# KiCad board CXD-ROUTER-v1.1.0.kicad_pcb (continued)
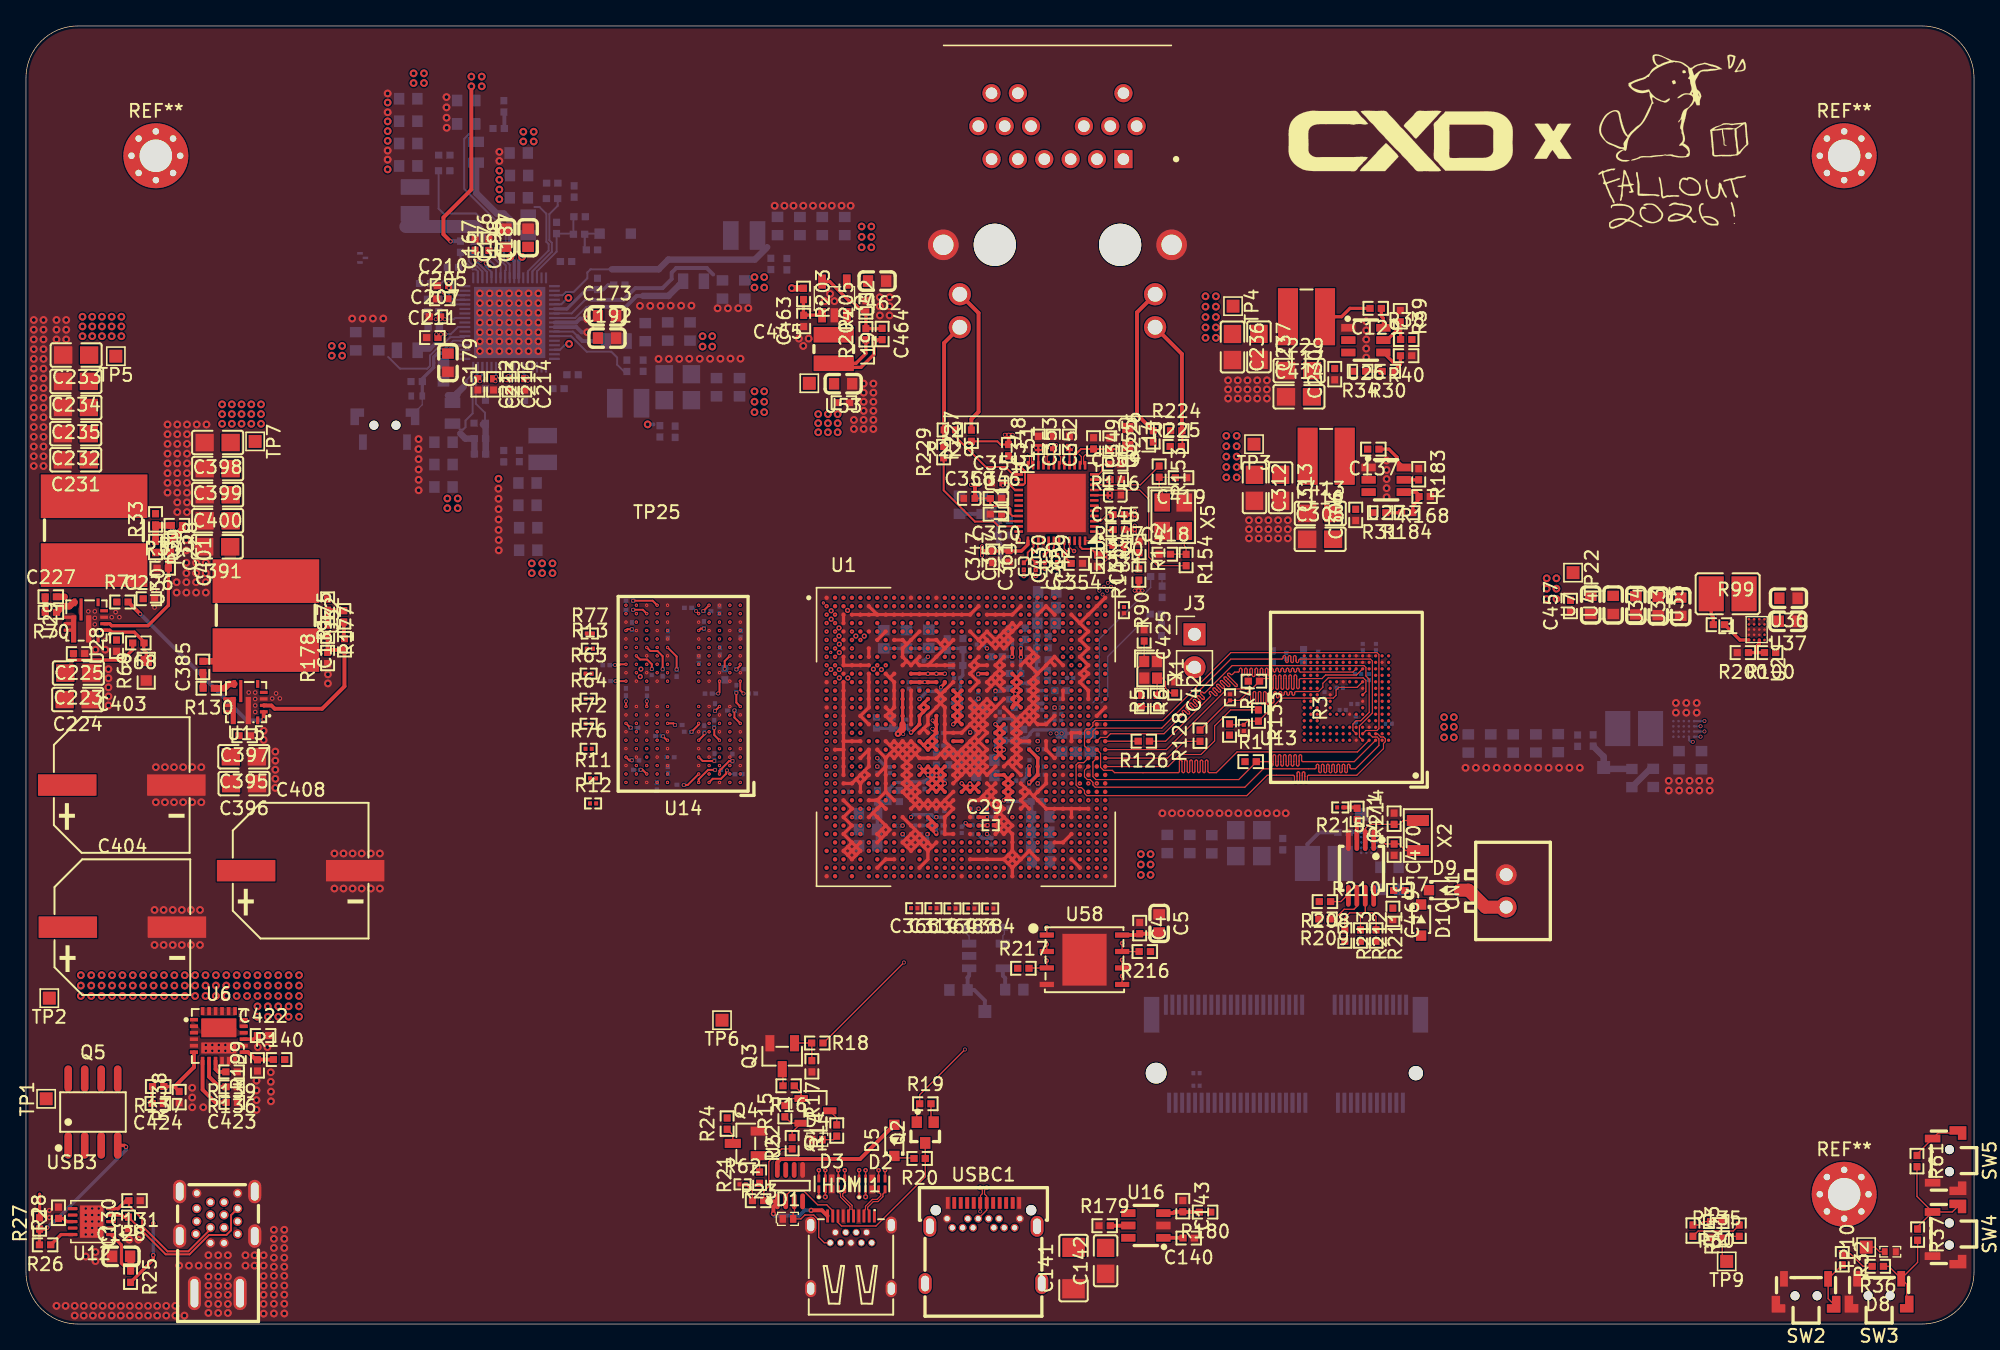
[diagram p0: board, top side]
## Routing (per net, layer and track width the routed paths; a pad name or vN(x,y) marks a point on that pad's centre or on a via; arc(x,y) is an arc through that point) (continued)
DDR_CH0_DQ10_A: length 29.2
  In1.Cu w0.09: v2(47,44.33) v7(46.72,44.04) ; v2(61.65,41.65) v8(61.25,41.65)
  In2.Cu w0.131: v8(61.25,41.65) 60.92,41.32 arc(60.89,41.24) 60.92,41.17 60.98,41.11 arc(61.01,41.03) 60.98,40.96 arc(60.91,40.93) 60.83,40.96 60.62,41.16 arc(60.55,41.19) 60.48,41.16 60.48,41.16 arc(60.45,41.09) 60.48,41.02 60.68,40.81 arc(60.71,40.73) 60.68,40.66 arc(60.61,40.63) 60.53,40.66 60.33,40.87 arc(60.26,40.9) 60.19,40.87 60.18,40.86 arc(60.15,40.79) 60.18,40.72 60.38,40.51 arc(60.42,40.44) 60.38,40.36 arc(60.31,40.33) 60.24,40.36 60.03,40.57 arc(59.96,40.6) 59.89,40.57 59.88,40.56 arc(59.85,40.49) 59.88,40.42 arc(59.91,40.35) 59.88,40.28 59.26,39.66 59.26,38.76 57.88,37.38 48.7,37.38 45.7,40.38 45.7,44.7 46.1,45.1 46.85,45.1 47.06,44.89 47.06,44.34 46.77,44.04 v7(46.72,44.04)
DDR_CH0_DQ10_B: length 34.9
  In1.Cu w0.09: v2(62.3,54.65) v4(62,54.95) ; v2(47,52.78) v7(46.7,53.08)
  In2.Cu w0.131: v7(46.7,53.08) 46.25,53.53 46.25,53.65 arc(46.28,53.72) 46.36,53.76 46.99,53.76 arc(47.07,53.79) 47.1,53.86 arc(47.07,53.94) 46.99,53.97 46.36,53.97 arc(46.28,54) 46.25,54.07 46.25,56.38 48.9,59.03 49.7,59.03 arc(49.77,59.06) 49.8,59.13 49.8,59.4 arc(49.83,59.47) 49.91,59.5 arc(49.98,59.47) 50.01,59.4 50.01,58.7 arc(50.04,58.63) 50.12,58.6 arc(50.19,58.63) 50.22,58.7 50.22,59.4 arc(50.25,59.47) 50.33,59.5 arc(50.4,59.47) 50.43,59.4 50.43,59.13 arc(50.46,59.06) 50.54,59.03 arc(50.61,59.06) 50.64,59.13 50.64,59.4 arc(50.67,59.47) 50.75,59.5 arc(50.82,59.47) 50.85,59.4 50.85,59.13 arc(50.88,59.06) 50.96,59.03 arc(51.03,59.06) 51.06,59.13 51.06,59.4 arc(51.1,59.47) 51.17,59.5 arc(51.24,59.47) 51.28,59.4 51.28,59.13 arc(51.31,59.06) 51.38,59.03 arc(51.45,59.06) 51.49,59.13 51.49,59.4 arc(51.52,59.47) 51.59,59.5 arc(51.67,59.47) 51.7,59.4 51.7,59.13 arc(51.73,59.06) 51.8,59.03 arc(51.88,59.06) 51.91,59.13 51.91,59.4 arc(51.94,59.47) 52.01,59.5 arc(52.09,59.47) 52.12,59.4 52.12,59.13 arc(52.15,59.06) 52.22,59.03 arc(52.3,59.06) 52.33,59.13 52.33,59.4 arc(52.36,59.47) 52.43,59.5 arc(52.51,59.47) 52.54,59.4 52.54,59.13 arc(52.57,59.06) 52.64,59.03 arc(52.72,59.06) 52.75,59.13 52.75,59.4 arc(52.78,59.47) 52.85,59.5 arc(52.93,59.47) 52.96,59.4 52.96,59.13 arc(52.99,59.06) 53.07,59.03 arc(53.14,59.06) 53.17,59.13 53.17,59.4 arc(53.2,59.47) 53.28,59.5 arc(53.35,59.47) 53.38,59.4 53.38,59.13 arc(53.41,59.06) 53.49,59.03 arc(53.56,59.06) 53.59,59.13 53.59,59.4 arc(53.62,59.47) 53.7,59.5 arc(53.77,59.47) 53.8,59.4 53.8,59.13 arc(53.83,59.06) 53.91,59.03 arc(53.98,59.06) 54.01,59.13 54.01,59.4 arc(54.04,59.47) 54.12,59.5 arc(54.19,59.47) 54.22,59.4 54.22,59.13 arc(54.25,59.06) 54.33,59.03 arc(54.4,59.06) 54.43,59.13 54.43,59.35 arc(54.46,59.42) 54.54,59.45 arc(54.61,59.42) 54.64,59.35 54.64,59.13 arc(54.68,59.06) 54.75,59.03 57.35,59.03 58.65,57.73 59.55,57.73 60.84,56.44 60.84,55.73 61.29,55.28 61.3,55.28 61.62,54.95 v4(62,54.95)
DDR_CH0_DQ11_A: length 29.2
  In1.Cu w0.09: v2(47,44.98) v7(46.72,44.69) ; v2(62.3,41.65) v7(62.02,41.93)
  In2.Cu w0.09: v2(62.3,41.65) 62.29,41.65
  In2.Cu w0.131: v7(62.02,41.93) 61.98,41.97 60.97,41.97 58.36,39.36 arc(58.33,39.29) 58.36,39.22 58.74,38.84 arc(58.77,38.77) 58.74,38.69 arc(58.66,38.66) 58.59,38.69 58.22,39.07 arc(58.14,39.1) 58.07,39.07 arc(58.04,38.99) 58.07,38.92 58.44,38.54 arc(58.47,38.47) 58.44,38.4 arc(58.37,38.36) 58.29,38.4 57.92,38.77 arc(57.84,38.8) 57.77,38.77 arc(57.74,38.69) 57.77,38.62 58.14,38.25 arc(58.17,38.17) 58.14,38.1 arc(58.07,38.07) 57.99,38.1 57.62,38.47 arc(57.55,38.5) 57.47,38.47 arc(57.44,38.4) 57.47,38.32 57.84,37.95 arc(57.88,37.87) 57.84,37.8 arc(57.77,37.77) 57.7,37.8 57.32,38.17 arc(57.25,38.2) 57.17,38.17 56.81,37.81 48.8,37.81 46.08,40.53 46.08,44.05 46.35,44.32 46.35,44.33 v7(46.72,44.69)
DDR_CH0_DQ11_B: length 34.9
  In1.Cu w0.09: v7(46.6,52.52) 47,52.12 ; v2(61.65,55.3) v12(61.4,55.55)
  In1.Cu w0.103: 47,52.12 v2(47,52.12)
  In2.Cu w0.131: v12(61.4,55.55) 61.05,55.9 61.05,56.53 59.44,58.14 arc(59.36,58.17) 59.29,58.14 59.13,57.98 arc(59.05,57.95) 58.98,57.98 arc(58.95,58.05) 58.98,58.13 59.55,58.7 arc(59.58,58.78) 59.55,58.85 arc(59.48,58.88) 59.41,58.85 58.73,58.17 arc(58.65,58.14) 58.58,58.17 arc(58.55,58.24) 58.58,58.32 59.26,59 arc(59.29,59.07) 59.26,59.15 arc(59.18,59.18) 59.11,59.15 58.43,58.47 arc(58.35,58.44) 58.28,58.47 arc(58.25,58.54) 58.28,58.62 58.96,59.3 arc(58.99,59.37) 58.96,59.45 arc(58.88,59.48) 58.81,59.45 58.54,59.18 arc(58.47,59.15) 58.4,59.18 58.25,59.33 57.99,59.33 arc(57.91,59.29) 57.88,59.22 57.88,59.09 arc(57.85,59.02) 57.78,58.99 arc(57.7,59.02) 57.67,59.09 57.67,59.66 arc(57.64,59.73) 57.57,59.76 arc(57.49,59.73) 57.46,59.66 57.46,59.43 arc(57.43,59.36) 57.36,59.33 arc(57.28,59.36) 57.25,59.43 57.25,59.66 arc(57.22,59.73) 57.15,59.76 arc(57.07,59.73) 57.04,59.66 57.04,59.43 arc(57.01,59.36) 56.94,59.33 arc(56.86,59.36) 56.83,59.43 56.83,59.66 arc(56.8,59.73) 56.73,59.76 arc(56.65,59.73) 56.62,59.66 56.62,59.43 arc(56.59,59.36) 56.52,59.33 arc(56.44,59.36) 56.41,59.43 56.41,59.66 arc(56.38,59.73) 56.3,59.76 arc(56.23,59.73) 56.2,59.66 56.2,59.43 arc(56.17,59.36) 56.09,59.33 arc(56.02,59.36) 55.99,59.43 55.99,59.66 arc(55.96,59.73) 55.88,59.76 arc(55.81,59.73) 55.78,59.66 55.78,59.43 arc(55.75,59.36) 55.67,59.33 arc(55.6,59.36) 55.57,59.43 55.57,59.66 arc(55.54,59.73) 55.46,59.76 arc(55.39,59.73) 55.36,59.66 55.36,59.43 arc(55.33,59.36) 55.25,59.33 55.15,59.33 54.7,59.78 49.3,59.78 45.91,56.39 45.91,53.21 v7(46.6,52.52)
DDR_CH0_DQ12_A: length 29.2
  In1.Cu w0.09: v2(61.65,43.6) v8(61.25,43.6)
  In1.Cu w0.1: v2(48.6,44.98) v7(48.92,44.66)
  In2.Cu w0.131: v7(48.92,44.66) 48.57,44.31 48.57,43.64 48.76,43.45 48.95,43.45 arc(49.02,43.42) 49.05,43.34 49.05,43.14 arc(49.08,43.07) 49.16,43.04 arc(49.23,43.07) 49.26,43.14 49.26,43.7 arc(49.29,43.77) 49.37,43.8 arc(49.44,43.77) 49.47,43.7 49.47,41.99 arc(49.5,41.92) 49.58,41.89 arc(49.65,41.92) 49.68,41.99 49.68,43.7 arc(49.71,43.77) 49.79,43.8 arc(49.86,43.77) 49.89,43.7 49.89,41.99 arc(49.92,41.92) 50,41.89 arc(50.07,41.92) 50.1,41.99 50.1,43.7 arc(50.13,43.77) 50.21,43.8 arc(50.28,43.77) 50.31,43.7 50.31,43.55 arc(50.35,43.48) 50.42,43.45 50.58,43.45 50.97,43.05 arc(50.94,42.98) 50.86,42.95 50.62,42.95 arc(50.54,42.92) 50.51,42.84 arc(50.54,42.77) 50.62,42.74 50.86,42.74 arc(50.94,42.71) 50.97,42.63 arc(50.94,42.56) 50.86,42.53 50.62,42.53 arc(50.54,42.5) 50.51,42.42 arc(50.54,42.35) 50.62,42.32 50.86,42.32 arc(50.94,42.29) 50.97,42.21 arc(50.94,42.14) 50.86,42.11 50.62,42.11 arc(50.54,42.07) 50.51,42 arc(50.54,41.93) 50.62,41.89 50.86,41.89 arc(50.94,41.86) 50.97,41.79 50.97,41.63 52.54,40.07 56.41,40.07 59.95,43.6 v8(61.25,43.6)
DDR_CH0_DQ12_B: length 33.7
  In1.Cu w0.09: v2(48.6,52.12) v7(48.9,52.43) ; v2(62.3,52.7) v4(62.6,53)
  In2.Cu w0.131: v7(48.9,52.43) 48.45,52.43 48.17,52.15 48.25,52.08 49,52.08 49.1,51.98 49,51.88 47.95,51.88 47.85,51.78 47.85,51.73 47.93,51.64 50.51,51.64 50.64,51.78 50.64,51.96 50.6,52 49.43,52 49.35,52.08 49.35,52.17 49.34,52.18 49.34,52.46 50.05,53.18 50.05,54.12 50.6,54.68 50.6,55.12 52.83,57.35 56.72,57.35 61.08,53 62.08,53 62.35,53.28 62.75,53.28 63.05,53.58 63.45,53.58 63.5,53.62 63.5,54.73 63.61,54.83 63.61,54.98 63.65,55.03 63.7,55.03 63.83,54.89 63.83,54.66 63.75,54.58 63.75,54.48 63.83,54.39 63.83,54.26 63.75,54.18 63.75,54.08 63.83,53.99 63.83,53.91 63.7,53.78 63.7,53.68 63.8,53.58 63.8,53.48 63.79,53.48 63.59,53.28 63.15,53.28 63.1,53.23 63.1,53.12 63.15,53.08 63.45,53.08 63.48,53.04 63.48,52.91 63.45,52.88 62.72,52.88 v4(62.6,53)
DDR_CH0_DQ13_A: length 29.2
  In1.Cu w0.09: v2(62.3,43.6) v7(62.02,43.88)
  In1.Cu w0.1: v2(48.6,44.33) v7(48.92,44.01)
  In2.Cu w0.131: v7(62.02,43.88) 61.98,43.92 59.79,43.92 56.29,40.43 52.64,40.43 51.26,41.81 51.26,43.16 51.02,43.4 arc(50.99,43.47) 51.02,43.54 51.26,43.78 arc(51.3,43.86) 51.26,43.93 arc(51.19,43.96) 51.12,43.93 50.88,43.69 arc(50.8,43.66) 50.73,43.69 arc(50.7,43.77) 50.73,43.84 51.99,45.11 arc(52.02,45.18) 51.99,45.26 arc(51.92,45.29) 51.84,45.26 50.58,43.99 arc(50.5,43.96) 50.43,43.99 50.41,44.01 arc(50.34,44.04) 50.31,44.11 50.31,45.44 arc(50.28,45.51) 50.2,45.55 arc(50.13,45.51) 50.1,45.44 50.1,44.11 arc(50.07,44.04) 49.99,44.01 arc(49.92,44.04) 49.89,44.11 49.89,45.44 arc(49.86,45.51) 49.78,45.55 arc(49.71,45.51) 49.68,45.44 49.68,44.11 arc(49.65,44.04) 49.57,44.01 arc(49.5,44.04) 49.47,44.11 49.47,44.49 arc(49.43,44.56) 49.36,44.6 arc(49.29,44.56) 49.25,44.49 49.25,44.11 arc(49.22,44.04) 49.15,44.01 v7(48.92,44.01)
DDR_CH0_DQ13_B: length 30.9
  In1.Cu w0.09: v2(48.6,52.78) v7(48.9,53.08)
  In2.Cu w0.09: v2(61.65,53.35) v11(61.3,53.35)
  In2.Cu w0.131: v11(61.3,53.35) 61.13,53.35 56.92,57.56 52.73,57.56 52.47,57.31 arc(52.4,57.28) 52.32,57.31 52.26,57.37 arc(52.19,57.4) 52.11,57.37 arc(52.08,57.29) 52.11,57.22 52.17,57.16 arc(52.2,57.08) 52.17,57.01 arc(52.1,56.98) 52.03,57.01 51.96,57.07 arc(51.89,57.1) 51.81,57.07 arc(51.78,57) 51.81,56.92 51.88,56.86 arc(51.91,56.78) 51.88,56.71 arc(51.8,56.68) 51.73,56.71 51.66,56.77 arc(51.59,56.8) 51.52,56.77 arc(51.48,56.7) 51.52,56.62 51.58,56.56 arc(51.61,56.49) 51.58,56.41 arc(51.5,56.38) 51.43,56.41 51.37,56.48 arc(51.29,56.51) 51.22,56.48 arc(51.19,56.4) 51.22,56.33 51.28,56.26 arc(51.31,56.19) 51.28,56.11 arc(51.21,56.08) 51.13,56.11 51.07,56.18 arc(50.99,56.21) 50.92,56.18 arc(50.89,56.1) 50.92,56.03 50.98,55.97 arc(51.01,55.89) 50.98,55.82 arc(50.91,55.79) 50.83,55.82 50.59,56.06 arc(50.52,56.09) 50.44,56.06 arc(50.41,55.98) 50.44,55.91 50.68,55.67 arc(50.72,55.59) 50.68,55.52 arc(50.61,55.49) 50.54,55.52 50.15,55.9 arc(50.08,55.93) 50.01,55.9 arc(49.97,55.83) 50.01,55.75 50.39,55.37 arc(50.42,55.3) 50.39,55.22 arc(50.31,55.19) 50.24,55.22 49.86,55.6 arc(49.78,55.63) 49.71,55.6 arc(49.68,55.53) 49.71,55.45 50.3,54.86 arc(50.33,54.79) 50.3,54.71 arc(50.23,54.68) 50.15,54.71 49.7,55.16 arc(49.63,55.19) 49.55,55.16 arc(49.52,55.09) 49.55,55.01 50,54.56 arc(50.03,54.49) 50,54.41 arc(49.93,54.38) 49.85,54.41 49.58,54.69 arc(49.5,54.72) 49.43,54.69 arc(49.4,54.61) 49.43,54.54 49.78,54.19 arc(49.81,54.12) 49.78,54.05 arc(49.7,54.01) 49.63,54.05 49.49,54.18 arc(49.42,54.21) 49.34,54.18 arc(49.31,54.1) 49.34,54.03 49.8,53.58 arc(49.83,53.5) 49.8,53.43 arc(49.72,53.4) 49.65,53.43 49.2,53.88 arc(49.12,53.91) 49.05,53.88 arc(49.02,53.81) 49.05,53.73 49.57,53.21 arc(49.6,53.13) 49.57,53.06 arc(49.5,53.03) 49.42,53.06 48.44,54.04 arc(48.36,54.07) 48.29,54.04 arc(48.26,53.97) 48.29,53.89 48.6,53.58 arc(48.63,53.51) 48.6,53.43 48.6,53.21 48.74,53.08 v7(48.9,53.08)
DDR_CH0_DQ14_A: length 29.2
  In1.Cu w0.09: v2(61.65,42.95) v8(61.25,42.95)
  In1.Cu w0.1: v2(48.6,43.03) v7(48.92,42.71)
  In2.Cu w0.131: v8(61.25,42.95) 60.35,42.95 56.76,39.36 52.21,39.36 arc(52.13,39.33) 52.1,39.25 52.1,39.1 arc(52.07,39.03) 52,39 arc(51.92,39.03) 51.89,39.1 51.89,39.25 arc(51.86,39.33) 51.79,39.36 arc(51.71,39.33) 51.68,39.25 51.68,38.9 arc(51.65,38.83) 51.58,38.8 arc(51.5,38.83) 51.47,38.9 51.47,39.25 arc(51.44,39.33) 51.37,39.36 arc(51.29,39.33) 51.26,39.25 51.26,38.9 arc(51.23,38.83) 51.15,38.8 arc(51.08,38.83) 51.05,38.9 51.05,39.25 arc(51.02,39.33) 50.94,39.36 arc(50.87,39.33) 50.84,39.25 50.84,38.9 arc(50.81,38.83) 50.73,38.8 arc(50.66,38.83) 50.63,38.9 50.63,39.25 arc(50.6,39.33) 50.52,39.36 arc(50.45,39.33) 50.42,39.25 50.42,38.9 arc(50.39,38.83) 50.31,38.8 arc(50.24,38.83) 50.21,38.9 50.21,39.25 arc(50.18,39.33) 50.1,39.36 arc(50.03,39.33) 50,39.25 50,38.9 arc(49.97,38.83) 49.89,38.8 arc(49.82,38.83) 49.79,38.9 49.79,39.71 arc(49.75,39.79) 49.68,39.82 arc(49.61,39.79) 49.58,39.71 49.58,38.9 arc(49.54,38.83) 49.47,38.8 arc(49.4,38.83) 49.36,38.9 49.36,39.25 arc(49.33,39.33) 49.26,39.36 48.93,39.36 48.5,39.79 48.5,40.02 arc(48.53,40.09) 48.61,40.12 49.09,40.12 arc(49.17,40.15) 49.2,40.23 arc(49.17,40.3) 49.09,40.33 48.61,40.33 arc(48.53,40.36) 48.5,40.44 arc(48.53,40.51) 48.61,40.54 48.69,40.54 arc(48.77,40.57) 48.8,40.65 arc(48.77,40.72) 48.69,40.75 48.61,40.75 arc(48.53,40.79) 48.5,40.86 arc(48.53,40.93) 48.61,40.97 48.79,40.97 arc(48.87,41) 48.9,41.07 arc(48.87,41.15) 48.79,41.18 48.61,41.18 arc(48.53,41.21) 48.5,41.28 arc(48.53,41.36) 48.61,41.39 48.84,41.39 arc(48.92,41.42) 48.95,41.49 arc(48.92,41.57) 48.84,41.6 48.16,41.6 arc(48.08,41.63) 48.05,41.7 arc(48.08,41.78) 48.16,41.81 48.39,41.81 arc(48.47,41.84) 48.5,41.91 48.5,42.29 v7(48.92,42.71)
DDR_CH0_DQ14_B: length 34.8
  In1.Cu w0.09: v2(48.6,54.08) v7(48.9,54.38) ; 62.3,53.33 v4(62.6,53.62)
  In2.Cu w0.131: v7(48.9,54.38) 48.9,54.53 49.3,54.92 49.3,55.53 50.1,56.33 50.75,56.33 51.9,57.48 51.9,57.78 51.97,57.85 56.93,57.85 61.1,53.68 61.1,53.68 62,53.68 62.4,54.08 62.4,55.78 62.15,56.03 62.15,55.48 62.05,55.38 61.9,55.38 61.8,55.48 61.8,56.23 61.55,56.48 61.55,55.83 61.53,55.8 61.3,56.03 61.3,56.73 59.65,58.38 59.65,58.5 59.73,58.58 59.85,58.58 62.75,55.68 62.75,55.43 62.65,55.33 62.65,54.18 62.7,54.12 62.85,54.12 62.9,54.18 62.9,54.62 62.95,54.68 63.07,54.68 63.15,54.6 63.15,53.98 62.9,53.73 62.7,53.73 v4(62.6,53.62)
  vias: v2(62.3,53.35)
DDR_CH0_DQ15_A: length 29.2
  In1.Cu w0.09: v2(62.3,42.95) v7(62.02,43.23)
  In1.Cu w0.1: v2(48.6,42.38) v7(48.92,42.06)
  In2.Cu w0.131: v7(62.02,43.23) 61.97,43.28 60.13,43.28 56.55,39.7 52.35,39.7 arc(52.27,39.73) 52.24,39.81 52.24,39.88 arc(52.21,39.95) 52.14,39.98 arc(52.06,39.95) 52.03,39.88 52.03,39.81 arc(52,39.73) 51.93,39.7 arc(51.85,39.73) 51.82,39.81 51.82,40.28 arc(51.79,40.35) 51.72,40.38 arc(51.64,40.35) 51.61,40.28 51.61,39.81 arc(51.58,39.73) 51.51,39.7 arc(51.43,39.73) 51.4,39.81 51.4,40.73 arc(51.37,40.8) 51.29,40.83 arc(51.22,40.8) 51.19,40.73 51.19,39.81 arc(51.16,39.73) 51.08,39.7 arc(51.01,39.73) 50.98,39.81 50.98,41.08 arc(50.95,41.15) 50.87,41.18 arc(50.8,41.15) 50.77,41.08 50.77,39.81 arc(50.74,39.73) 50.66,39.7 arc(50.59,39.73) 50.56,39.81 50.56,41.08 arc(50.53,41.15) 50.45,41.18 arc(50.38,41.15) 50.35,41.08 50.35,39.81 arc(50.32,39.73) 50.24,39.7 50.18,39.7 49.47,40.42 arc(49.44,40.49) 49.47,40.56 50.28,41.37 arc(50.31,41.45) 50.28,41.52 arc(50.2,41.55) 50.13,41.52 49.32,40.71 arc(49.24,40.68) 49.17,40.71 49.12,40.76 49.12,41.29 arc(49.15,41.36) 49.22,41.39 49.32,41.39 arc(49.39,41.42) 49.42,41.5 arc(49.39,41.57) 49.32,41.6 49.22,41.6 arc(49.15,41.63) 49.12,41.71 49.12,41.86 v7(48.92,42.06)
DDR_CH0_DQ15_B: length 26
  In1.Cu w0.09: v2(48.6,54.73) v7(48.9,55.03)
  In2.Cu w0.09: v2(61.65,54) v11(61.3,54)
  In2.Cu w0.131: v7(48.9,55.03) 48.9,55.43 48.92,55.44 arc(48.95,55.52) 48.92,55.59 48.75,55.76 arc(48.72,55.84) 48.75,55.91 arc(48.82,55.94) 48.9,55.91 49.07,55.74 arc(49.14,55.71) 49.22,55.74 49.22,55.75 arc(49.25,55.82) 49.22,55.89 arc(49.2,55.96) 49.22,56.03 49.23,56.04 arc(49.3,56.07) 49.37,56.04 arc(49.44,56.01) 49.52,56.04 49.52,56.05 arc(49.55,56.12) 49.52,56.19 arc(49.49,56.26) 49.52,56.33 49.53,56.34 arc(49.6,56.37) 49.67,56.34 arc(49.74,56.31) 49.81,56.34 arc(49.84,56.41) 49.81,56.49 49.75,56.55 arc(49.72,56.62) 49.75,56.7 arc(49.82,56.73) 49.9,56.7 49.96,56.64 arc(50.04,56.6) 50.11,56.64 arc(50.14,56.71) 50.11,56.78 49.84,57.06 arc(49.8,57.13) 49.84,57.21 arc(49.91,57.24) 49.98,57.21 50.58,56.62 arc(50.65,56.58) 50.73,56.62 arc(50.76,56.69) 50.73,56.76 50.13,57.36 arc(50.1,57.43) 50.13,57.51 arc(50.21,57.54) 50.28,57.51 50.88,56.91 arc(50.95,56.88) 51.02,56.91 arc(51.06,56.99) 51.02,57.06 50.43,57.66 arc(50.4,57.73) 50.43,57.8 arc(50.51,57.84) 50.58,57.8 51.17,57.21 arc(51.25,57.18) 51.32,57.21 arc(51.35,57.29) 51.32,57.36 50.73,57.95 arc(50.7,58.03) 50.73,58.1 arc(50.8,58.13) 50.88,58.1 51.47,57.51 arc(51.55,57.48) 51.62,57.51 arc(51.65,57.58) 51.62,57.66 51.27,58 arc(51.24,58.08) 51.27,58.15 arc(51.35,58.18) 51.42,58.15 51.45,58.12 arc(51.53,58.09) 51.6,58.12 57.05,58.12 61.17,54 v11(61.3,54)
DDR_CH0_DQS0_A_N: length 15.7
  In1.Cu w0.09: v2(63.6,45.55) v7(63.32,45.83)
  In1.Cu w0.1: v7(53.09,44.61) 53.11,44.61 v2(53.4,44.33)
  In2.Cu w0.103: v7(53.09,44.61) 52.99,44.71 52.99,44.92 53.15,45.07 arc(53.23,45.1) 53.32,45.07 arc(53.4,45.03) 53.48,45.07 53.49,45.08 arc(53.53,45.16) 53.49,45.25 arc(53.46,45.33) 53.49,45.42 53.5,45.42 arc(53.59,45.46) 53.67,45.42 arc(53.76,45.39) 53.84,45.42 53.85,45.43 arc(53.89,45.52) 53.85,45.6 arc(53.82,45.69) 53.85,45.77 53.86,45.78 arc(53.95,45.82) 54.03,45.78 arc(54.12,45.75) 54.2,45.78 54.21,45.79 arc(54.25,45.88) 54.21,45.96 arc(54.17,46.05) 54.21,46.13 54.22,46.14 arc(54.3,46.18) 54.39,46.14 arc(54.47,46.1) 54.56,46.14 54.57,46.15 arc(54.6,46.23) 54.57,46.32 arc(54.53,46.4) 54.57,46.49 54.58,46.5 arc(54.66,46.53) 54.75,46.5 arc(54.83,46.46) 54.92,46.5 54.93,46.51 arc(54.96,46.59) 54.93,46.68 arc(54.89,46.76) 54.93,46.85 54.93,46.86 arc(55.02,46.89) 55.1,46.86 arc(55.19,46.82) 55.27,46.86 55.28,46.87 arc(55.32,46.95) 55.28,47.03 arc(55.25,47.12) 55.28,47.2 55.58,47.5 62.67,47.5 63.52,46.66 63.52,46.03 v7(63.32,45.83)
DDR_CH0_DQS0_A_P: length 15.7
  In1.Cu w0.09: v2(64.25,45.55) v7(63.97,45.83)
  In1.Cu w0.1: v2(53.4,43.68) 53.11,43.97 v7(53.08,43.97)
  In2.Cu w0.103: v7(63.97,45.83) 63.77,46.03 63.77,46.76 62.78,47.75 55.47,47.75 52.69,44.96 52.69,44.36 v7(53.08,43.97)
DDR_CH0_DQS0_B_N: length 32.2
  In1.Cu w0.09: v7(53.1,52.48) v2(53.4,52.78) 53.45,52.78 ; v2(65.55,50.75) v4(65.25,50.45)
  In2.Cu w0.103: v4(65.25,50.45) 65.25,50.16 65.22,50.13 arc(65.12,50.09) 65.01,50.13 64.8,50.34 arc(64.7,50.38) 64.59,50.34 arc(64.55,50.23) 64.59,50.13 64.8,49.92 arc(64.84,49.81) 64.8,49.71 arc(64.69,49.66) 64.59,49.71 64.42,49.88 arc(64.31,49.92) 64.2,49.88 arc(64.16,49.77) 64.2,49.67 64.38,49.5 arc(64.42,49.39) 64.38,49.28 64.22,49.13 46.55,49.13 45.99,49.69 45.99,50.68 46.43,51.12 52.57,51.12 53,51.56 53,52.38 v7(53.1,52.48)
DDR_CH0_DQS0_B_P: length 32.1
  In1.Cu w0.09: v2(66.2,50.75) v4(65.87,50.42) ; v2(53.4,53.43) v7(53.1,53.12)
  In2.Cu w0.103: v7(53.1,53.12) 52.75,52.78 52.75,51.66 52.46,51.38 46.33,51.38 45.73,50.78 45.73,49.59 46.45,48.87 64.32,48.87 v4(65.87,50.42)
DDR_CH0_DQS1_A_N: length 22.9
  In1.Cu w0.09: v7(63.93,43.28) v2(63.6,42.95)
  In1.Cu w0.1: v2(47.8,44.33) 48.11,44.64 v7(48.14,44.64)
  In2.Cu w0.103: v7(63.93,43.28) 64.12,43.47 64.12,45.25 64.47,45.6 64.47,46.41 62.88,48 51.2,48 48.14,44.94 v7(48.14,44.64)
DDR_CH0_DQS1_A_P: length 24.6
  In1.Cu w0.09: v2(64.25,42.95) 64.57,43.27 v7(64.58,43.27)
  In1.Cu w0.1: v2(47.8,43.68) v7(48.15,44.03)
  In2.Cu w0.103: v7(64.58,43.27) 64.38,43.47 64.38,45.15 64.73,45.5 64.73,46.52 63.17,48.07 62.99,48.26 51.09,48.26 47.73,44.9 47.73,44.44 v7(48.15,44.03)
DDR_CH0_DQS1_B_N: length 32.4
  In1.Cu w0.09: v2(63.6,52.7) v4(63.9,53) ; v2(47.8,52.78) v7(47.5,52.48)
  In2.Cu w0.103: v7(47.5,52.48) 47.5,52.21 47.19,51.91 45.99,51.91 45.23,52.67 45.23,56.5 49.04,60.32 58.79,60.32 64.1,55.02 64.1,53.2 v4(63.9,53)
DDR_CH0_DQS1_B_P: length 35.2
  In1.Cu w0.09: v2(64.25,52.7) v4(64.55,53) ; v2(47.8,53.43) v7(48.1,53.12)
  In2.Cu w0.103: v7(48.1,53.12) 48.43,52.79 47.3,51.66 45.89,51.66 44.97,52.57 44.97,56.61 48.94,60.58 58.9,60.58 64.35,55.12 64.35,53.2 v4(64.55,53)
DDR_CH0_LP4/4X_CKE0_A:
  vias: v2(52.6,46.93)
DDR_CH0_LP4/4X_CKE0_B:
  vias: v2(52.6,50.18)
DDR_CH0_LP4/4X_CS0_A:
  vias: v2(52.6,46.28)
DDR_CH0_LP4/4X_CS0_B:
  vias: v2(52.6,50.83)
DDR_RESET: length 1.8
  Top w0.15: v2(47,51.48) 47.28,51.2 47.83,51.2 48.19,50.83 v5(48.19,50.46)
eMMC_CLKOUT: length 34
  Top w0.09: R126.1 87.75,44.9 91.2,48.35 arc(91.23,48.42) 91.2,48.49 91.13,48.56 arc(91.1,48.63) 91.13,48.7 arc(91.2,48.73) 91.27,48.7 91.55,48.42 arc(91.62,48.39) 91.69,48.42 arc(91.72,48.49) 91.69,48.57 91.42,48.84 arc(91.39,48.91) 91.42,48.99 arc(91.49,49.01) 91.56,48.99 91.84,48.71 arc(91.91,48.68) 91.98,48.71 arc(92.01,48.78) 91.98,48.85 91.7,49.13 arc(91.67,49.2) 91.7,49.27 arc(91.77,49.3) 91.84,49.27 92.12,48.99 arc(92.19,48.96) 92.26,48.99 arc(92.29,49.06) 92.26,49.13 91.98,49.41 arc(91.95,49.48) 91.98,49.55 arc(92.05,49.58) 92.12,49.55 92.54,49.13 arc(92.61,49.1) 92.68,49.13 arc(92.71,49.2) 92.68,49.27 92.26,49.69 arc(92.23,49.76) 92.26,49.83 arc(92.33,49.86) 92.41,49.83 93.11,49.13 arc(93.18,49.1) 93.25,49.13 arc(93.28,49.2) 93.25,49.27 92.55,49.98 arc(92.52,50.05) 92.55,50.12 arc(92.62,50.15) 92.69,50.12 92.76,50.05 arc(92.83,50.02) 92.9,50.05 93.08,50.23 93.34,50.23 arc(93.41,50.25) 93.44,50.33 93.44,50.42 arc(93.46,50.49) 93.54,50.52 arc(93.61,50.49) 93.64,50.42 93.64,50.03 arc(93.66,49.96) 93.74,49.93 arc(93.81,49.96) 93.84,50.03 93.84,50.42 arc(93.86,50.49) 93.94,50.52 arc(94.01,50.49) 94.04,50.42 94.04,50.03 arc(94.06,49.96) 94.14,49.93 arc(94.21,49.96) 94.24,50.03 94.24,50.42 arc(94.26,50.49) 94.34,50.52 arc(94.41,50.49) 94.44,50.42 94.44,49.98 arc(94.46,49.91) 94.54,49.88 arc(94.61,49.91) 94.64,49.98 94.64,50.42 arc(94.66,50.49) 94.74,50.52 arc(94.81,50.49) 94.84,50.42 94.84,50.03 arc(94.86,49.96) 94.94,49.93 arc(95.01,49.96) 95.04,50.03 95.04,50.42 arc(95.06,50.49) 95.14,50.52 arc(95.21,50.49) 95.24,50.42 95.24,50.03 arc(95.26,49.96) 95.34,49.93 arc(95.41,49.96) 95.44,50.03 95.44,50.42 arc(95.46,50.49) 95.54,50.52 arc(95.61,50.49) 95.64,50.42 95.64,50.03 arc(95.66,49.96) 95.74,49.93 arc(95.81,49.96) 95.84,50.03 95.84,50.42 arc(95.86,50.49) 95.94,50.52 arc(96.01,50.49) 96.04,50.42 96.04,50.33 arc(96.06,50.25) 96.14,50.23 arc(96.21,50.25) 96.24,50.33 96.24,50.42 arc(96.26,50.49) 96.34,50.52 arc(96.41,50.49) 96.44,50.42 96.44,50.33 arc(96.46,50.25) 96.54,50.23 arc(96.61,50.25) 96.64,50.33 96.64,50.42 arc(96.66,50.49) 96.74,50.52 arc(96.81,50.49) 96.84,50.42 96.84,50.33 arc(96.86,50.25) 96.94,50.23 arc(97.01,50.25) 97.04,50.33 97.04,50.42 arc(97.06,50.49) 97.14,50.52 arc(97.21,50.49) 97.24,50.42 97.24,50.33 arc(97.26,50.25) 97.34,50.23 arc(97.41,50.25) 97.44,50.33 97.44,50.42 arc(97.46,50.49) 97.54,50.52 arc(97.61,50.49) 97.64,50.42 97.64,50.33 arc(97.66,50.25) 97.74,50.23 arc(97.81,50.25) 97.84,50.33 97.84,50.42 arc(97.86,50.49) 97.94,50.52 arc(98.01,50.49) 98.04,50.42 98.04,50.33 arc(98.06,50.25) 98.14,50.23 102.17,50.23 U13.M6
eMMC_CMD: length 34.1
  Top w0.09: 83.1,44.25 87.81,44.25 92.49,48.93 94.39,48.93 R2.2 95.18,49.73 95.74,49.73 arc(95.81,49.7) 95.84,49.62 95.84,48.99 arc(95.87,48.92) 95.94,48.89 arc(96.01,48.92) 96.04,48.99 96.04,49.91 arc(96.07,49.98) 96.14,50.01 arc(96.21,49.98) 96.24,49.91 96.24,48.99 arc(96.27,48.92) 96.34,48.89 arc(96.41,48.92) 96.44,48.99 96.44,49.91 arc(96.47,49.98) 96.54,50.01 arc(96.61,49.98) 96.64,49.91 96.64,48.99 arc(96.67,48.92) 96.74,48.89 arc(96.81,48.92) 96.84,48.99 96.84,49.91 arc(96.87,49.98) 96.94,50.01 arc(97.01,49.98) 97.04,49.91 97.04,48.99 arc(97.07,48.92) 97.14,48.89 arc(97.21,48.92) 97.24,48.99 97.24,49.91 arc(97.27,49.98) 97.34,50.01 arc(97.41,49.98) 97.44,49.91 97.44,48.99 arc(97.47,48.92) 97.54,48.89 arc(97.61,48.92) 97.64,48.99 97.64,49.91 arc(97.67,49.98) 97.74,50.01 arc(97.81,49.98) 97.84,49.91 97.84,49.04 arc(97.87,48.97) 97.94,48.94 arc(98.01,48.97) 98.04,49.04 98.04,49.62 arc(98.07,49.7) 98.14,49.73 99.79,49.73 100.07,50 102.45,50 U13.M5
eMMC_D0: length 34
  Top w0.09: U13.A3 102.27,43.33 98.33,43.33 arc(98.26,43.35) 98.23,43.43 98.23,43.76 arc(98.2,43.83) 98.13,43.86 arc(98.06,43.83) 98.03,43.76 98.03,43.09 arc(98,43.02) 97.93,42.99 arc(97.86,43.02) 97.83,43.09 97.83,43.76 arc(97.8,43.83) 97.73,43.86 arc(97.66,43.83) 97.63,43.76 97.63,43.09 arc(97.6,43.02) 97.53,42.99 arc(97.46,43.02) 97.43,43.09 97.43,43.76 arc(97.4,43.83) 97.33,43.86 arc(97.26,43.83) 97.23,43.76 97.23,43.09 arc(97.2,43.02) 97.13,42.99 arc(97.06,43.02) 97.03,43.09 97.03,43.76 arc(97,43.83) 96.93,43.86 arc(96.86,43.83) 96.83,43.76 96.83,43.09 arc(96.8,43.02) 96.73,42.99 arc(96.66,43.02) 96.63,43.09 96.63,43.76 arc(96.6,43.83) 96.53,43.86 arc(96.46,43.83) 96.43,43.76 96.43,43.09 arc(96.4,43.02) 96.33,42.99 arc(96.26,43.02) 96.23,43.09 96.23,43.76 arc(96.2,43.83) 96.13,43.86 arc(96.06,43.83) 96.03,43.76 96.03,43.09 arc(96,43.02) 95.93,42.99 arc(95.86,43.02) 95.83,43.09 95.83,43.23 arc(95.8,43.3) 95.73,43.33 R1.2 94.73,43.3 93.39,41.95 82.39,41.95 82.15,42.18 82.15,43.31 U1.Y33
eMMC_D1: length 34
  Top w0.09: U13.A4 102.52,44.08 93.26,44.08 91.66,42.48 91.11,42.48 arc(91.04,42.5) 91.01,42.58 91.01,43.35 arc(90.98,43.42) 90.91,43.45 arc(90.84,43.42) 90.81,43.35 90.81,42.58 arc(90.78,42.5) 90.71,42.48 arc(90.64,42.5) 90.61,42.58 90.61,43.35 arc(90.58,43.42) 90.51,43.45 arc(90.44,43.42) 90.41,43.35 90.41,42.58 arc(90.38,42.5) 90.31,42.48 arc(90.24,42.5) 90.21,42.58 90.21,43.35 arc(90.18,43.42) 90.11,43.45 arc(90.04,43.42) 90.01,43.35 90.01,42.58 arc(89.98,42.5) 89.91,42.48 arc(89.84,42.5) 89.81,42.58 89.81,43.35 arc(89.78,43.42) 89.71,43.45 arc(89.64,43.42) 89.61,43.35 89.61,42.58 arc(89.58,42.5) 89.51,42.48 arc(89.44,42.5) 89.41,42.58 89.41,43.35 arc(89.38,43.42) 89.31,43.45 arc(89.24,43.42) 89.21,43.35 89.21,42.58 arc(89.18,42.5) 89.11,42.48 arc(89.04,42.5) 89.01,42.58 89.01,43.35 arc(88.98,43.42) 88.91,43.45 arc(88.84,43.42) 88.81,43.35 88.81,42.58 arc(88.78,42.5) 88.71,42.48 83.83,42.48 83.64,42.66 82.98,42.66 82.74,42.89 82.74,43.96 U1.W33
eMMC_D2: length 34
  Top w0.09: U13.A5 102.67,45.23 102.67,46.08 103.67,47.08 103.67,51.08 103.53,51.23 98.1,51.23 arc(98.03,51.2) 98,51.12 98,51.06 arc(97.97,50.99) 97.9,50.96 arc(97.83,50.99) 97.8,51.06 97.8,51.39 arc(97.77,51.46) 97.7,51.49 arc(97.63,51.46) 97.6,51.39 97.6,51.06 arc(97.57,50.99) 97.5,50.96 arc(97.43,50.99) 97.4,51.06 97.4,51.39 arc(97.37,51.46) 97.3,51.49 arc(97.23,51.46) 97.2,51.39 97.2,51.06 arc(97.17,50.99) 97.1,50.96 arc(97.03,50.99) 97,51.06 97,51.39 arc(96.97,51.46) 96.9,51.49 arc(96.83,51.46) 96.8,51.39 96.8,51.33 arc(96.77,51.25) 96.7,51.23 92.77,51.23 87.45,45.91 82.39,45.91 82.15,45.67 82.15,45.26 U1.V32